# KiCad board Wonderland.kicad_pcb (continued)
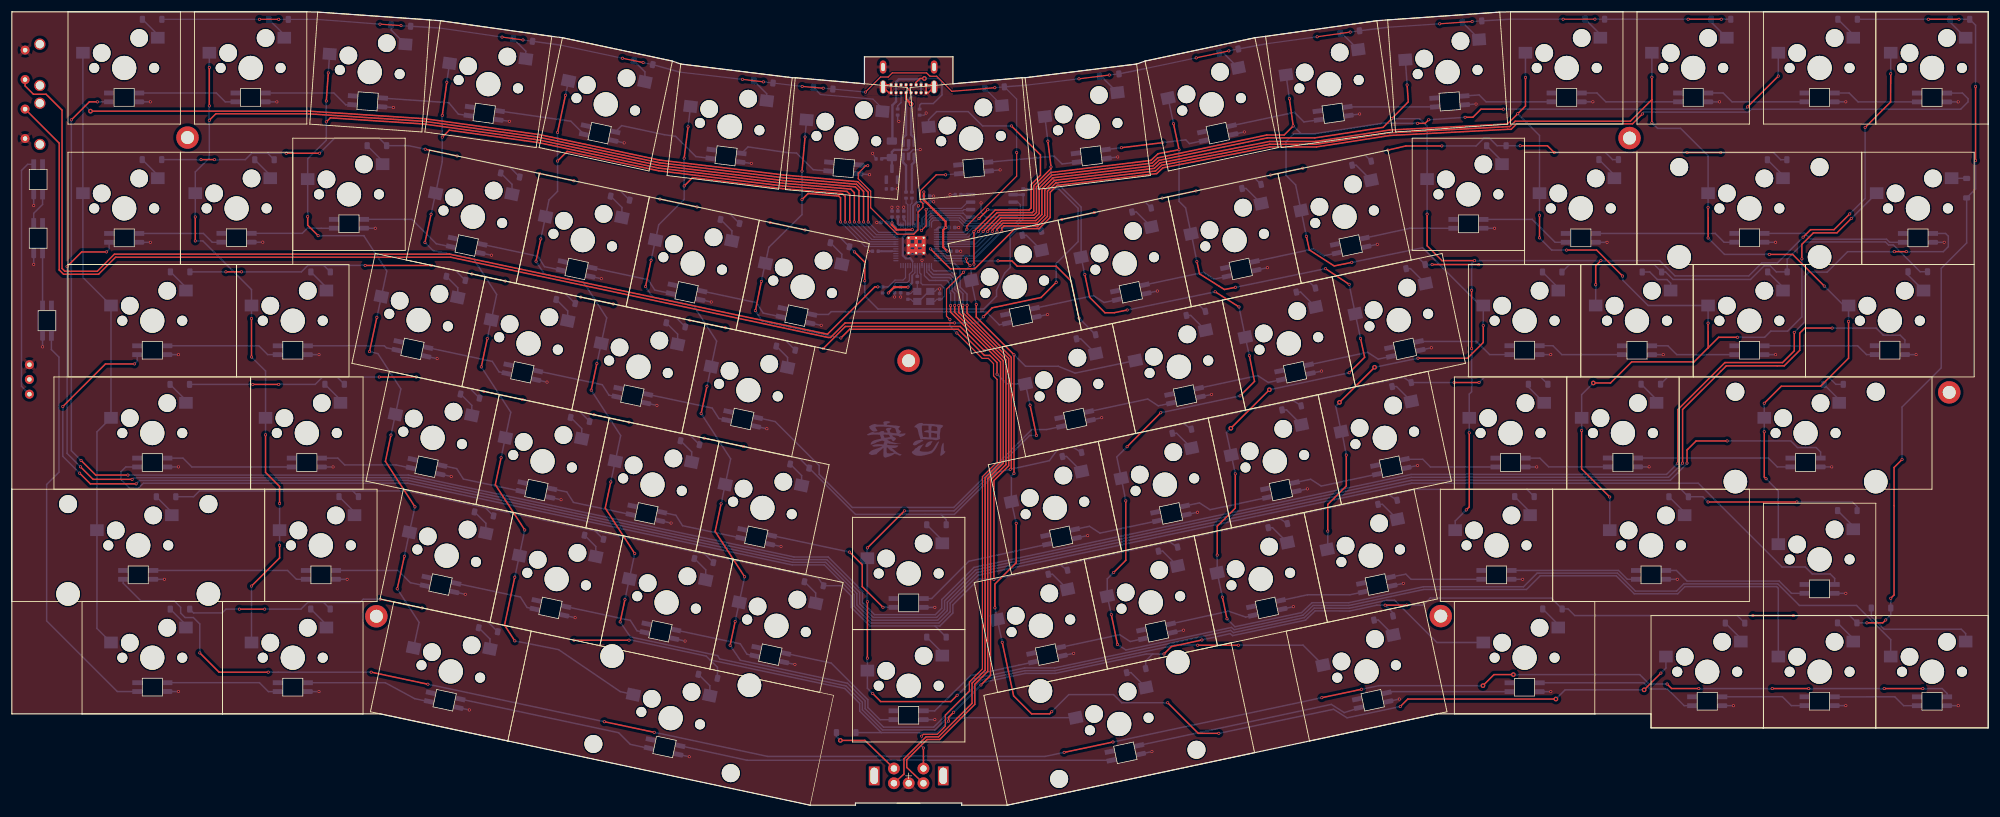
[diagram p0: board, top side]
## Footprints (pads in the part's own frame, mm; a bottom-side part is the same pattern mirrored in y, then rotated)
C_0402_1005Metric
  rrect 0.56x0.62 smd: 1(-0.48,0) 2(0.48,0)
conn_3pins
  round 1.524 hole 0.762: 1(-2.5,0) 2(0,0) 3(2.5,0)
Crystal_SMD_3225-4Pin_3.2x2.5mm
  rect 1.4x1.2 smd: 1(-1.1,-0.85) 2(1.1,-0.85) 3(1.1,0.85) 4(-1.1,0.85)
D_SOD-123
  rrect 0.9x1.2 smd: 1(-1.65,0) 2(1.65,0)
Fuse_1206_3216Metric
  rrect 1.25x1.75 smd: 1(-1.4,0) 2(1.4,0)
GCT_USB4085-GF-A_REVA4
  round 0.65 hole 0.4: A1(-2.975,4.025) A4(-2.125,4.025) A5(-1.275,4.025) A6(-0.425,4.025) A7(0.425,4.025) A8(1.275,4.025) A9(2.125,4.025) A12(2.975,4.025) B1(2.975,2.675) B4(2.125,2.675) B5(1.275,2.675) B6(0.425,2.675) B7(-0.425,2.675) B8(-1.275,2.675) B9(-2.125,2.675) B12(-2.975,2.675)
  oval 1.108x2.216 hole 0.6x2.1: P1(-4.325,3.045) P2(4.325,3.045)
  oval 1.108x2.216 hole 0.6x1.4: P3(4.325,-0.335) P4(-4.325,-0.335)
MountingHole_2.2mm_M2_Pad
  round 3.8 hole 2.2: 1(0,0)
R_0402_1005Metric
  rrect 0.54x0.64 smd: 1(-0.51,0) 2(0.51,0)
RotaryEncoder_EC11-Switch_Horizontal_H15mm
  round 2 hole 1.1: A(1.25,-2.5) B(1.25,2.5) C(1.25,0) S1(-1.25,2.5) S2(-1.25,-2.5)
  rect 3.2x1.8 hole 2.8x1.3: MP(0,5.85) MP(0,-5.85)
RP2040-QFN-56
  rrect 1.084x1.084 smd: (-0.637,-0.637) (-0.637,0.637) (0.637,-0.637) (0.637,0.637)
  rrect 0.875x0.2 smd: 1(-3.438,2.6) 2(-3.438,2.2) 3(-3.438,1.8) 4(-3.438,1.4) 5(-3.438,1) 6(-3.438,0.6) 7(-3.438,0.2) 8(-3.438,-0.2) 9(-3.438,-0.6) 10(-3.438,-1) 11(-3.438,-1.4) 12(-3.438,-1.8) 13(-3.438,-2.2) 14(-3.438,-2.6) 29(3.438,-2.6) 30(3.438,-2.2) 31(3.438,-1.8) 32(3.438,-1.4) 33(3.438,-1) 34(3.438,-0.6) 35(3.438,-0.2) 36(3.438,0.2) 37(3.438,0.6) 38(3.438,1) 39(3.438,1.4) 40(3.438,1.8) 41(3.438,2.2) 42(3.438,2.6)
  rrect 0.2x0.875 smd: 15(-2.6,-3.438) 16(-2.2,-3.438) 17(-1.8,-3.438) 18(-1.4,-3.438) 19(-1,-3.438) 20(-0.6,-3.438) 21(-0.2,-3.438) 22(0.2,-3.438) 23(0.6,-3.438) 24(1,-3.438) 25(1.4,-3.438) 26(1.8,-3.438) 27(2.2,-3.438) 28(2.6,-3.438) 43(2.6,3.438) 44(2.2,3.438) 45(1.8,3.438) 46(1.4,3.438) 47(1,3.438) 48(0.6,3.438) 49(0.2,3.438) 50(-0.2,3.438) 51(-0.6,3.438) 52(-1,3.438) 53(-1.4,3.438) 54(-1.8,3.438) 55(-2.2,3.438) 56(-2.6,3.438)
  round 0.6 hole 0.35: 57(-1.275,-1.275) 57(-1.275,0) 57(-1.275,1.275) 57(0,-1.275) 57(0,0) 57(0,1.275) 57(1.275,-1.275) 57(1.275,0) 57(1.275,1.275)
  rrect 3.2x3.2 smd: 57(0,0)
SK6812-MINI-E_back
  rect 1.7x0.82 smd far side: 1(-2.55,0.75) 2(-2.55,-0.75) 4(2.55,0.75)
  rrect 1.7x0.82 smd far side: 3(2.55,-0.75)
SOIC-8_5.23x5.23mm_P1.27mm
  rrect 1.6x0.6 smd: 1(-3.6,1.905) 2(-3.6,0.635) 3(-3.6,-0.635) 4(-3.6,-1.905) 5(3.6,-1.905) 6(3.6,-0.635) 7(3.6,0.635) 8(3.6,1.905)
SOT-23
  rrect 1.475x0.6 smd: 1(-0.938,0.95) 2(-0.938,-0.95) 3(0.938,0)
SOT-23-6
  rrect 1.325x0.6 smd: 1(-1.137,0.95) 2(-1.137,0) 3(-1.137,-0.95) 4(1.137,-0.95) 5(1.137,0) 6(1.137,0.95)
SW_Cherry_MX_1.00u_Hotswap
  round 1.7 hole 1.7 unplated: (4.445,-9.525) (14.605,-9.525)
  round 3 hole 3 unplated: (5.715,-6.985) (12.065,-4.445)
  round 4.1 hole 4.1 unplated: (9.525,-9.525)
  rect 2.3x2 smd far side: 1(2.525,-6.945) 2(15.225,-4.405)
SW_Cherry_MX_1.25u_Hotswap
  round 1.7 hole 1.7 unplated: (6.826,-9.525) (16.986,-9.525)
  round 3 hole 3 unplated: (8.096,-6.985) (14.446,-4.445)
  round 4.1 hole 4.1 unplated: (11.906,-9.525)
  rect 2.3x2 smd far side: 1(4.906,-6.945) 2(17.606,-4.405)
SW_Cherry_MX_1.50u_Hotswap
  round 1.7 hole 1.7 unplated: (9.207,-9.525) (19.367,-9.525)
  round 3 hole 3 unplated: (10.477,-6.985) (16.828,-4.445)
  round 4.1 hole 4.1 unplated: (14.287,-9.525)
  rect 2.3x2 smd far side: 1(7.287,-6.945) 2(19.988,-4.405)
SW_Cherry_MX_1.75u_Hotswap
  round 1.7 hole 1.7 unplated: (11.589,-9.525) (21.749,-9.525)
  round 3 hole 3 unplated: (12.859,-6.985) (19.209,-4.445)
  round 4.1 hole 4.1 unplated: (16.669,-9.525)
  rect 2.3x2 smd far side: 1(9.669,-6.945) 2(22.369,-4.405)
SW_Cherry_MX_2.00u_Hotswap
  round 3.05 hole 3.05 unplated: (7.15,-2.525) (30.95,-2.525)
  round 4 hole 4 unplated: (7.15,-17.765) (30.95,-17.765)
  round 1.7 hole 1.7 unplated: (13.97,-9.525) (24.13,-9.525)
  round 3 hole 3 unplated: (15.24,-6.985) (21.59,-4.445)
  round 4.1 hole 4.1 unplated: (19.05,-9.525)
  rect 2.3x2 smd far side: 1(12.05,-6.945) 2(24.75,-4.405)
SW_Cherry_MX_2.25u_Hotswap
  round 3.05 hole 3.05 unplated: (9.531,-2.525) (33.331,-2.525)
  round 4 hole 4 unplated: (9.531,-17.765) (33.331,-17.765)
  round 1.7 hole 1.7 unplated: (16.351,-9.525) (26.511,-9.525)
  round 3 hole 3 unplated: (17.621,-6.985) (23.971,-4.445)
  round 4.1 hole 4.1 unplated: (21.431,-9.525)
  rect 2.3x2 smd far side: 1(14.431,-6.945) 2(27.131,-4.405)
SW_Cherry_MX_2.25u_Hotswap_Reversed
  round 4 hole 4 unplated: (9.531,-1.285) (33.331,-1.285)
  round 3.05 hole 3.05 unplated: (9.531,-16.525) (33.331,-16.525)
  round 1.7 hole 1.7 unplated: (16.351,-9.525) (26.511,-9.525)
  round 3 hole 3 unplated: (17.621,-6.985) (23.971,-4.445)
  round 4.1 hole 4.1 unplated: (21.431,-9.525)
  rect 2.3x2 smd far side: 1(14.431,-6.945) 2(27.131,-4.405)
SW_Cherry_MX_2.75u_Hotswap_Reversed
  round 4 hole 4 unplated: (14.294,-1.29) (38.094,-1.29)
  round 3.05 hole 3.05 unplated: (14.294,-16.529) (38.094,-16.529)
  round 1.7 hole 1.7 unplated: (21.114,-9.525) (31.274,-9.525)
  round 3 hole 3 unplated: (22.384,-6.985) (28.734,-4.445)
  round 4.1 hole 4.1 unplated: (26.194,-9.525)
  rect 2.3x2 smd far side: 1(19.194,-6.945) 2(31.894,-4.405)
SW_RST
  round 1.524 hole 0.762: 1(-2.5,0) 2(2.5,0)
  round 1.9 hole 1.4: 3(-3.5,-2.5) 3(3.5,-2.5)

## Nets
+1V1: C6.1 C7.1 C8.1 U3.23 U3.45 U3.50
+3V3: C4.1 C5.1 C9.1 C10.1 C11.1 C12.1 C13.1 C14.1 C15.1 C16.1 C17.1 J3.2 R6.1 RGBA0.1 RGBA1.1 RGBA2.1 RGBA3.1 RGBA4.1 RGBA5.1 RGBA6.1 RGBA7.1 RGBA8.1 RGBA9.1 RGBA10.1 RGBA11.1 RGBA12.1 RGBA13.1 RGBB0.1 RGBB1.1 RGBB2.1 RGBB3.1 RGBB4.1 RGBB5.1 RGBB6.1 RGBB7.1 RGBB8.1 RGBB9.1 RGBB10.1 RGBB11.1 RGBB12.1 RGBB13.1 RGBC0.1 RGBC1.1 RGBC2.1 RGBC3.1 RGBC4.1 RGBC5.1 RGBC6.1 RGBC7.1 RGBC8.1 RGBC9.1 RGBC10.1 RGBC11.1 RGBC12.1 RGBC13.1 RGBD0.1 RGBD1.1 RGBD2.1 RGBD3.1 RGBD4.1 RGBD5.1 RGBD6.1 RGBD7.1 RGBD8.1 RGBD9.1 RGBD10.1 RGBD11.1 RGBD12.1 RGBD13.1 RGBE0.1 RGBE1.1 RGBE2.1 RGBE3.1 RGBE4.1 RGBE5.1 RGBE6.1 RGBE7.1 RGBE8.1 RGBE9.1 RGBE10.1 RGBE11.1 RGBE12.1 RGBE13.1 RGBF0.1 RGBF1.1 RGBF2.1 RGBF3.1 RGBF4.1 RGBF5.1 RGBF6.1 RGBF7.1 RGBF8.1 RGBF9.1 RGBF10.1 RGBF11.1 RGBF12.1 RGBI0.1 RGBI1.1 RGBI2.1 U1.2 U2.8 U3.1 U3.10 U3.22 U3.33 U3.42 U3.43 U3.44 U3.48 U3.49
+5V: C1.2 F1.2 U1.3 U4.5
GND: C1.1 C2.1 C3.1 C4.2 C5.2 C6.2 C7.2 C8.2 C9.2 C10.2 C11.2 C12.2 C13.2 C14.2 C15.2 C16.2 C17.2 J3.3 JUSB1.A1 JUSB1.A12 JUSB1.B1 JUSB1.B12 JUSB1.P1 JUSB1.P2 JUSB1.P3 JUSB1.P4 R1.1 R2.1 RGBA0.3 RGBA1.3 RGBA2.3 RGBA3.3 RGBA4.3 RGBA5.3 RGBA6.3 RGBA7.3 RGBA8.3 RGBA9.3 RGBA10.3 RGBA11.3 RGBA12.3 RGBA13.3 RGBB0.3 RGBB1.3 RGBB2.3 RGBB3.3 RGBB4.3 RGBB5.3 RGBB6.3 RGBB7.3 RGBB8.3 RGBB9.3 RGBB10.3 RGBB11.3 RGBB12.3 RGBB13.3 RGBC0.3 RGBC1.3 RGBC2.3 RGBC3.3 RGBC4.3 RGBC5.3 RGBC6.3 RGBC7.3 RGBC8.3 RGBC9.3 RGBC10.3 RGBC11.3 RGBC12.3 RGBC13.3 RGBD0.3 RGBD1.3 RGBD2.3 RGBD3.3 RGBD4.3 RGBD5.3 RGBD6.3 RGBD7.3 RGBD8.3 RGBD9.3 RGBD10.3 RGBD11.3 RGBD12.3 RGBD13.3 RGBE0.3 RGBE1.3 RGBE2.3 RGBE3.3 RGBE4.3 RGBE5.3 RGBE6.3 RGBE7.3 RGBE8.3 RGBE9.3 RGBE10.3 RGBE11.3 RGBE12.3 RGBE13.3 RGBF0.3 RGBF1.3 RGBF2.3 RGBF3.3 RGBF4.3 RGBF5.3 RGBF6.3 RGBF7.3 RGBF8.3 RGBF9.3 RGBF10.3 RGBF11.3 RGBF12.3 RGBI0.3 RGBI1.3 RGBI2.3 RSW1.1 RSW2.2 SW1.C U1.1 U2.4 U3.19 U3.57 U4.2 Y1.2 Y1.4
VBUS: F1.1 JUSB1.A4 JUSB1.A9 JUSB1.B4 JUSB1.B9
/CC1: JUSB1.A5 R1.2
/CC2: JUSB1.B5 R2.2
/D_+: R3.2 U3.47
/D_-: R4.2 U3.46
/IN_A0: RGBA0.4 RGBA1.2
/IN_A1: RGBA1.4 RGBA2.2
/IN_A2: RGBA2.4 RGBA3.2
/IN_A3: RGBA3.4 RGBA4.2
/IN_A4: RGBA4.4 RGBA5.2
/IN_A5: RGBA5.4 RGBA6.2
/IN_A6: RGBA6.4 RGBA7.2
/IN_A7: RGBA7.4 RGBA8.2
/IN_A8: RGBA8.4 RGBA9.2
/IN_A9: RGBA9.4 RGBA10.2
/IN_A10: RGBA10.4 RGBA11.2
/IN_A11: RGBA11.4 RGBA12.2
/IN_A12: RGBA12.4 RGBA13.2
/IN_A13: RGBA13.4 RGBF10.2
/IN_B0: RGBB0.4 RGBB1.2
/IN_B1: RGBB1.4 RGBB2.2
/IN_B2: RGBB2.4 RGBB3.2
/IN_B3: RGBB3.4 RGBB4.2
/IN_B4: RGBB4.4 RGBB5.2
/IN_B5: RGBB5.4 RGBB6.2
/IN_B6: RGBB6.4 RGBB7.2
/IN_B7: RGBB7.4 RGBB8.2
/IN_B8: RGBB8.4 RGBB9.2
/IN_B9: RGBB9.4 RGBB10.2
/IN_B10: RGBB10.4 RGBB11.2
/IN_B11: RGBB11.4 RGBB12.2
/IN_B12: RGBB12.4 RGBB13.2
/IN_B13: RGBB13.4 RGBF12.2
/IN_C0: RGBC0.4 RGBC1.2
/IN_C1: RGBC1.4 RGBC2.2
/IN_C2: RGBC2.4 RGBC3.2
/IN_C3: RGBC3.4 RGBC4.2
/IN_C4: RGBC4.4 RGBC5.2
/IN_C5: RGBC5.4 RGBC6.2
/IN_C6: RGBC6.4 RGBC7.2
/IN_C7: RGBC7.4 RGBC8.2
/IN_C8: RGBC8.4 RGBC9.2
/IN_C9: RGBC9.4 RGBC10.2
/IN_C10: RGBC10.4 RGBC11.2
/IN_C11: RGBC11.4 RGBC12.2
/IN_C12: RGBC12.4 RGBC13.2
/IN_C13: RGBB0.2 RGBC13.4
/IN_D0: RGBD0.4 RGBD1.2
/IN_D1: RGBD1.4 RGBD2.2
/IN_D2: RGBD2.4 RGBD3.2
/IN_D3: RGBD3.4 RGBD4.2
/IN_D4: RGBD4.4 RGBD5.2
/IN_D5: RGBD5.4 RGBD6.2
/IN_D6: RGBD6.4 RGBD7.2
/IN_D7: RGBD7.4 RGBD8.2
/IN_D8: RGBD8.4 RGBD9.2
/IN_D9: RGBD9.4 RGBD10.2
/IN_D10: RGBD10.4 RGBD11.2
/IN_D11: RGBD11.4 RGBD12.2
/IN_D12: RGBD12.4 RGBD13.2
/IN_D13: RGBC0.2 RGBD13.4
/IN_E0: RGBE0.4 RGBE1.2
/IN_E1: RGBE1.4 RGBE2.2
/IN_E2: RGBE2.4 RGBE3.2
/IN_E3: RGBE3.4 RGBE4.2
/IN_E4: RGBE4.4 RGBE5.2
/IN_E5: RGBE5.4 RGBE6.2
/IN_E6: RGBE6.4 RGBE7.2
/IN_E7: RGBE7.4 RGBE8.2
/IN_E8: RGBE8.4 RGBE9.2
/IN_E9: RGBE9.4 RGBE10.2
/IN_E10: RGBE10.4 RGBE11.2
/IN_E11: RGBE11.4 RGBE12.2
/IN_E12: RGBE12.4 RGBE13.2
/IN_E13: RGBD0.2 RGBE13.4
/IN_F0: RGBF0.4 RGBF1.2
/IN_F1: RGBF1.4 RGBF2.2
/IN_F2: RGBF2.4 RGBF3.2
/IN_F3: RGBF3.4 RGBF4.2
/IN_F4: RGBF4.4 RGBF5.2
/IN_F5: RGBF5.4 RGBF6.2
/IN_F6: RGBF6.4 RGBF7.2
/IN_F7: RGBF7.4 RGBF8.2
/IN_F8: RGBF8.4 RGBF9.2
/IN_F9: RGBE0.2 RGBF9.4
/IN_F10: RGBF10.4 RGBF11.2
/IN_F12: RGBA0.2 RGBF12.4
/IN_I0: RGBF0.2 RGBI0.4
/IN_I1: RGBI0.2 RGBI1.4
/IN_I2: RGBI1.2 RGBI2.4
/KC13_out: DC13.2 KC13.2
/KD12_out: DD12.2 KD12.2
/KE0_out: DE0.2 KE0.2
/SW99B: DF13.2 SW1.S2
/~{USB_BOOT}: R0.1 RSW1.2
col00: KA0.1 KB0.1 KC0.1 KD0.1 KE0.1 KF0.1 U3.41
col01: KA1.1 KB1.1 KC1.1 KD1.1 KE1.1 KF1.1 U3.40
col02: KA2.1 KB2.1 KC2.1 KD2.1 KE2.1 KF2.1 U3.39
col03: KA3.1 KB3.1 KC3.1 KD3.1 KE3.1 KF3.1 U3.38
col04: KA4.1 KB4.1 KC4.1 KD4.1 KE4.1 KF4.1 U3.37
col05: KA5.1 KB5.1 KC5.1 KD5.1 KE5.1 KF5.1 U3.36
col06: KA6.1 KB6.1 KC6.1 KD6.1 KE6.1 KF6.1 U3.35
col07: KA7.1 KB7.1 KC7.1 KD7.1 KE7.1 KF7.1 U3.4
col08: KA8.1 KB8.1 KC8.1 KD8.1 KE8.1 KF8.1 U3.5
col09: KA9.1 KB9.1 KC9.1 KD9.1 KE9.1 KF9.1 U3.6
col10: KA10.1 KB10.1 KC10.1 KD10.1 KE10.1 KF10.1 U3.7
col11: KA11.1 KB11.1 KC11.1 KD11.1 KE11.1 KF11.1 U3.8
col12: KA12.1 KB12.1 KC12.1 KD12.1 KE12.1 KF12.1 U3.11
col13: KA13.1 KB13.1 KC13.1 KD13.1 KE13.1 SW1.S1 U3.12
CS: R0.2 U2.1 U3.56
D_N: R4.1 U4.3
D_P: R3.1 U4.1
D_USB_N: JUSB1.A7 JUSB1.B7 U4.4
D_USB_P: JUSB1.A6 JUSB1.B6 U4.6
ENCA: SW1.A U3.18
ENCB: SW1.B U3.17
QSPI_CLK: U2.6 U3.52
RGB_Matrix: RGBF11.4 U3.9
RGB_Out: J3.1 RGBI2.2
row00: DA0.1 DA1.1 DA2.1 DA3.1 DA4.1 DA5.1 DA6.1 DA7.1 DA8.1 DA9.1 DA10.1 DA11.1 DA12.1 DA13.1 U3.2
row01: DB0.1 DB1.1 DB2.1 DB3.1 DB4.1 DB5.1 DB6.1 DB7.1 DB8.1 DB9.1 DB10.1 DB11.1 DB12.1 DB13.1 U3.3
row02: DC0.1 DC1.1 DC2.1 DC3.1 DC4.1 DC5.1 DC6.1 DC7.1 DC8.1 DC9.1 DC10.1 DC11.1 DC12.1 DC13.1 U3.13
row03: DD0.1 DD1.1 DD2.1 DD3.1 DD4.1 DD5.1 DD6.1 DD7.1 DD8.1 DD9.1 DD10.1 DD11.1 DD12.1 DD13.1 U3.14
row04: DE0.1 DE1.1 DE2.1 DE3.1 DE4.1 DE5.1 DE6.1 DE7.1 DE8.1 DE9.1 DE10.1 DE11.1 DE12.1 DE13.1 U3.15
row05: DF0.1 DF1.1 DF2.1 DF3.1 DF4.1 DF5.1 DF6.1 DF7.1 DF8.1 DF9.1 DF10.1 DF11.1 DF12.1 DF13.1 U3.16
SD0: U2.5 U3.53
SD1: U2.2 U3.55
SD2: U2.3 U3.54
SD3: U2.7 U3.51
XTAL_IN: C2.2 U3.20 Y1.3
XTAL_OUT: R5.2 U3.21
~{RESET}: R6.2 RSW2.1 U3.26
Net-(C3-Pad2): C3.2 R5.1 Y1.1
Net-(DA0-A): DA0.2 KA0.2
Net-(DA1-A): DA1.2 KA1.2
Net-(DA2-A): DA2.2 KA2.2
Net-(DA3-A): DA3.2 KA3.2
Net-(DA4-A): DA4.2 KA4.2
Net-(DA5-A): DA5.2 KA5.2
Net-(DA6-A): DA6.2 KA6.2
Net-(DA7-A): DA7.2 KA7.2
Net-(DA8-A): DA8.2 KA8.2
Net-(DA9-A): DA9.2 KA9.2
Net-(DA10-A): DA10.2 KA10.2
Net-(DA11-A): DA11.2 KA11.2
Net-(DA12-A): DA12.2 KA12.2
Net-(DA13-A): DA13.2 KA13.2
Net-(DB0-A): DB0.2 KB0.2
Net-(DB1-A): DB1.2 KB1.2
Net-(DB2-A): DB2.2 KB2.2
Net-(DB3-A): DB3.2 KB3.2
Net-(DB4-A): DB4.2 KB4.2
Net-(DB5-A): DB5.2 KB5.2
Net-(DB6-A): DB6.2 KB6.2
Net-(DB7-A): DB7.2 KB7.2
Net-(DB8-A): DB8.2 KB8.2
Net-(DB9-A): DB9.2 KB9.2
Net-(DB10-A): DB10.2 KB10.2
Net-(DB11-A): DB11.2 KB11.2
Net-(DB12-A): DB12.2 KB12.2
Net-(DB13-A): DB13.2 KB13.2
Net-(DC0-A): DC0.2 KC0.2
Net-(DC1-A): DC1.2 KC1.2
Net-(DC2-A): DC2.2 KC2.2
Net-(DC3-A): DC3.2 KC3.2
Net-(DC4-A): DC4.2 KC4.2
Net-(DC5-A): DC5.2 KC5.2
Net-(DC6-A): DC6.2 KC6.2
Net-(DC7-A): DC7.2 KC7.2
Net-(DC8-A): DC8.2 KC8.2
Net-(DC9-A): DC9.2 KC9.2
Net-(DC10-A): DC10.2 KC10.2
Net-(DC11-A): DC11.2 KC11.2
Net-(DC12-A): DC12.2 KC12.2
Net-(DD0-A): DD0.2 KD0.2
Net-(DD1-A): DD1.2 KD1.2
Net-(DD2-A): DD2.2 KD2.2
Net-(DD3-A): DD3.2 KD3.2
Net-(DD4-A): DD4.2 KD4.2
Net-(DD5-A): DD5.2 KD5.2
Net-(DD6-A): DD6.2 KD6.2
Net-(DD7-A): DD7.2 KD7.2
Net-(DD8-A): DD8.2 KD8.2
Net-(DD9-A): DD9.2 KD9.2
Net-(DD10-A): DD10.2 KD10.2
Net-(DD11-A): DD11.2 KD11.2
Net-(DD13-A): DD13.2 KD13.2
Net-(DE1-A): DE1.2 KE1.2
Net-(DE2-A): DE2.2 KE2.2
Net-(DE3-A): DE3.2 KE3.2
Net-(DE4-A): DE4.2 KE4.2
Net-(DE5-A): DE5.2 KE5.2
Net-(DE6-A): DE6.2 KE6.2
Net-(DE7-A): DE7.2 KE7.2
Net-(DE8-A): DE8.2 KE8.2
Net-(DE9-A): DE9.2 KE9.2
Net-(DE10-A): DE10.2 KE10.2
Net-(DE11-A): DE11.2 KE11.2
Net-(DE12-A): DE12.2 KE12.2
Net-(DE13-A): DE13.2 KE13.2
Net-(DF0-A): DF0.2 KF0.2
Net-(DF1-A): DF1.2 KF1.2
Net-(DF2-A): DF2.2 KF2.2
Net-(DF3-A): DF3.2 KF3.2
Net-(DF4-A): DF4.2 KF4.2
Net-(DF5-A): DF5.2 KF5.2
Net-(DF6-A): DF6.2 KF6.2
Net-(DF7-A): DF7.2 KF7.2
Net-(DF8-A): DF8.2 KF8.2
Net-(DF9-A): DF9.2 KF9.2
Net-(DF10-A): DF10.2 KF10.2
Net-(DF11-A): DF11.2 KF11.2
Net-(DF12-A): DF12.2 KF12.2

Pads without a net: JUSB1 A8 B8; MountTopMiddle1 1; MountTopMiddle2 1; MountTopMiddle3 1; MountTopMiddle4 1; MountTopMiddle5 1; MountTopMiddle6 1; RSW1 3; RSW2 3; SW1 MP; U3 24 25 27 28 29 30 31 32 34

## Via types
v1: diameter 0.5, hole 0.3, Top to Bottom, 462 vias
v2: diameter 0.8, hole 0.4, Top to Bottom, 13 vias

## Routing (per net, layer and track width the routed paths; a pad name or vN(x,y) marks a point on that pad's centre or on a via; arc(x,y) is an arc through that point)
+1V1: length 20.4
  Bottom w0.2: 152.68,92.22 U3.23 152.68,90.57 152.13,90.03 152.13,88.98 151.8,88.65 149.87,88.65 149.62,88.4 C7.1 ; 152.78,96.95 153.48,97.64 U3.50 153.48,98.92 153.48,98.93 ; 151.36,99.15 151.48,99.03 U3.45 151.48,96.83 ; 153.63,99.87 153.48,99.72
  Bottom w0.25: 153.48,99.72 153.48,98.93
  Bottom w0.35: 152.68,92.22 152.31,92.74 151.52,92.74 151.02,93.24 151.02,96.37 151.6,96.95 152.78,96.95 ; C8.1 151.19,99.33 151.36,99.15
+3V3: length 48.6
  Top w0.35: 158.55,93.96 v1(158.54,93.96) 157.87,94.64 157.87,97.56 v1(158.28,97.97) 158.28,98.97 154.59,102.66 154.59,102.66 v1(154.59,103.99) ; v1(149.19,98.74) 149.19,98.38 149.97,97.6 v1(152.63,97.6) ; v1(148.56,86.86) 149.56,87.86 v1(151.89,87.86)
  Bottom w0.2: v1(152.63,97.6) 152.68,97.65 U3.48 152.68,98.78 U3.49 ; 149.21,93.95 149.21,93.95 U3.33 ; U3.10 159.2,93.95 C13.1 ; U3.22 153.08,90.3 152.61,89.83
  Bottom w0.35: 146.85,93.95 149.21,93.95 ; 156.71,97.63 157.13,97.97 v1(158.28,97.97) C11.1 ; C16.1 v1(149.19,98.74) 149.19,98.62 ; C14.1 v1(151.89,87.86) 152.61,88.58 152.61,89.83 ; 154.59,103.32 v1(154.59,103.99) ; 150.2,99.77 150.2,98.58 150.4,98.37 150.98,98.36 ; C15.1 148.65,98.81 149.02,98.44 149.38,98.44 149.84,97.97 149.84,97.66 ; 154.61,103.3 C9.1 153.47,102.33 152.76,101.62 152.76,98.71
  Bottom w0.4: 162.5,103.54 160.87,103.54
+5V: length 8.7
  Bottom w0.4: 149.17,109.73 149.17,110.77 149.53,111.13 151.76,111.13 152.01,111.38 U4.5 ; 149.17,109.73 147.58,109.73 C1.2 ; 149.17,109.73 149.17,107.87 149.18,107.86
GND: length 218.5
  Top w0.25: 148.66,120.83 JUSB1.P1 148.04,122.18 JUSB1.B12 JUSB1.A1 148.66,120.83 ; 155.96,122.18 JUSB1.P2 155.34,120.83 JUSB1.A12 JUSB1.B1 155.96,122.18
  Top w0.635: U3.57 U3.57 ; U3.57 U3.57 ; U3.57 U3.57 U3.57 154.26,93.97 152.31,93.97 U3.57 U3.57
  Bottom w0.2: R2.1 154.62,117.02 v1(154.98,117.38) ; C5.2 159.03,103.54 ; v1(154.28,92.42) 154.28,92.42 U3.19 ; Y1.4 152.74,85.43 152.37,85.8 C3.1 ; U2.4 165.09,99.73 164.29,100.54 v1(164.29,102.14) ; 149.62,86.9 v1(149.62,86.18) ; v1(157.27,87.55) 157.27,87.54 156.85,87.54 156.44,87.13 155.68,87.13 ; 146.45,109.59 v1(145.9,110.55) ; 153.63,101.6 v1(153.67,101.64) ; v1(150.12,104.52) 150.11,104.51 C17.2 ; 150.66,86.9 v1(150.66,86.18)
  Bottom w0.25: 88.87,72.14 v1(90.72,71.75) ; 192.33,86.81 v1(194.18,87.2) ; 26.36,57.37 v1(28.25,57.37) ; 217.75,53.25 v1(219.6,53.64) ; RGBB1.3 v1(42.54,95.48) ; RGBB13.3 v1(298.96,95.47) ; 143.5,107.09 v1(145.38,106.93) ; RGBE1.3 v1(56.84,38.31) ; 59.72,97.84 v1(61.61,97.84) ; 287.57,119.27 v1(289.46,119.27) ; 79.45,93.66 v1(81.3,93.27) ; RGBC1.3 v1(52.07,76.41) ; 101.95,112.71 v1(103.8,112.32) ; RGBC11.3 v1(279.91,76.41) ; R1.1 150.15,116.17 v1(150.35,115.97) ; 112.97,8.61 v1(114.82,8.22) ; RGBC12.3 v1(298.96,76.41) ; RGBF10.3 v1(310.86,119.28) ; 75.7,16.54 v1(77.55,16.15) ; RGBC0.3 v1(28.25,76.41) ; 173.69,82.82 v1(175.54,83.21) ; 75.01,36.16 v1(76.86,35.77) ; 109.9,48.24 v1(111.75,47.85) ; 180.5,45.33 v1(182.35,45.72) ; 72.63,56.14 v1(74.48,55.75) ; v1(153.97,111.18) 152.78,111.18 152.01,110.41 U4.2 ; 165.64,107.58 v1(167.52,107.74) ; RGBF8.3 v1(310.86,16.89) ; 126.14,64.23 v1(127.99,63.84) ; 116.71,85.73 v1(118.56,85.34) ; 135.34,81.77 v1(137.19,81.38) ; 191.4,8.7 v1(193.25,9.09) ; RGBB11.3 v1(251.33,97.84) ; 185.58,109.7 v1(187.46,109.93) ; 178.13,25.36 v1(179.98,25.75) ; RGBC10.3 v1(260.85,76.42) ; RGBF6.3 v1(260.86,19.26) ; 246.29,118.78 v1(248.18,118.91) ; 220.15,73.23 v1(222,73.62) ; 201.51,69.27 v1(203.36,69.66) ; RGBD11.3 v1(258.47,57.36) ; RGBB12.3 v1(270.39,95.46) ; 196.74,29.29 v1(198.59,29.68) ; RGBE11.3 v1(256.09,38.31) ; RGBA0.3 v1(23.48,119.28) ; RGBF12.3 v1(327.53,95.46) ; 229.6,94.73 v1(231.45,95.12) ; RGBD12.3 v1(277.52,57.38) ; 70.24,76.12 v1(72.09,75.73) ; 130.89,24.26 v1(132.74,23.87) ; RGBC13.3 v1(322.77,76.42) ; RGBF11.3 v1(329.91,119.27) ; RGBE13.3 v1(310.86,35.93) ; 153.73,85.43 155.43,87.13 ; 215.37,33.27 v1(217.22,33.66) ; 182.89,65.32 v1(184.74,65.71) ; RGBF9.3 v1(329.91,16.88) ; RGBF1.3 v1(52.07,19.27) ; RGBI1.3 v1(3.71,91.71) ; RGBA12.3 v1(267.99,119.28) ; C2.1 157.27,87.54 ; 238.76,77.18 v1(240.61,77.57) ; 98.08,89.68 v1(99.93,89.29) ; 21.59,95.45 v1(23.48,95.45) ; 210.97,90.76 v1(212.82,91.15) ; 93.63,32.19 v1(95.48,31.8) ; 199.12,49.29 v1(200.97,49.68) ; RGBE12.3 v1(282.29,38.31) ; RGBD6.3 v1(156.46,33.55) ; 112.27,28.23 v1(114.12,27.84) ; 226.59,116.96 v1(228.46,117.22) ; 154.57,14.51 v1(156.46,14.51) ; 82.47,116.24 v1(84.34,115.98) ; 234.01,37.23 v1(235.86,37.62) ; 128.53,44.26 v1(130.38,43.87) ; RGBE0.3 v1(25.87,38.31) ; 236.41,57.22 v1(238.26,57.61) ; RGBD1.3 v1(54.45,57.36) ; RGBF0.3 v1(28.26,19.28) ; RGBD13.3 v1(308.48,57.37) ; 207.07,113.78 v1(208.92,114.17) ; 233.33,17.61 v1(235.18,18) ; RGBF7.3 v1(291.81,16.88) ; 62.78,118.45 v1(64.67,118.32) ; RGBI2.3 v1(3.71,101.69) ; 91.25,52.19 v1(93.1,51.8) ; 107.5,68.19 v1(109.35,67.8) ; 123.48,109.07 v1(125.36,108.84) ; RGBI0.3 v1(5.21,77.72) ; 43.04,119.27 v1(44.93,119.27)
  Bottom w0.35: C15.2 v1(146.61,98.81) ; 149.18,100.74 v1(149.18,101.41) ; 145.88,93.96 v1(145.2,93.96) ; C10.2 v1(150.19,101.42) ; C6.2 153.63,101.6 ; 159.82,97.97 v1(160.5,97.97) ; 151.18,100.75 v1(151.18,101.42) ; C9.2 v1(156.25,102.33) ; 155.56,103.31 v1(156.23,103.31) ; 160.17,93.95 v1(160.84,93.95)
  vias: v1(159.03,103.54)
VBUS: length 16.8
  Bottom w0.4: 149.17,112.53 149.26,112.62 149.26,118.71 149.88,119.33 JUSB1.A4 JUSB1.B9 149.88,122.63 150.34,123.1 153.65,123.1 154.13,122.63 JUSB1.B4 JUSB1.A9
/CC1: length 3
  Bottom w0.2: JUSB1.A5 150.72,119.16
  Bottom w0.25: 150.72,119.16 150.15,118.58 R1.2
/CC2: length 12.6
  Top w0.25: v2(154.68,123.24) 154.68,123.24 153.93,123.24 153.28,122.59 JUSB1.B5
  Bottom w0.25: R2.2 153.88,118.71 154.16,118.99 156.19,118.99 157.66,120.46 157.66,122.57 156.99,123.24 v2(154.68,123.24)
/D_+: length 4.7
  Bottom w0.2: U3.47 152.28,101.81 152.57,102.1 R3.2
/D_-: length 4.7
  Bottom w0.2: U3.46 151.88,101.82 151.57,102.13 R4.2
/IN_A0: length 17
  Bottom w0.25: 37.93,119.28 36.18,119.28 34.67,120.78 RGBA0.4
/IN_A1: length 15.5
  Bottom w0.25: 57.73,118.78 56.59,118.78 54.59,120.78 43.03,120.78
/IN_A2: length 15.6
  Bottom w0.25: 62.88,119.91 74.08,119.13 75.69,117.19 77.48,116.94
/IN_A3: length 15.3
  Bottom w0.25: RGBA3.4 94.77,115.99 RGBA4.2
/IN_A4: length 18.3
  Bottom w0.25: 102.28,114.17 103.36,115.25 110.58,113.71 112.51,113.43 115.95,110 118.49,109.68
/IN_A5: length 16.4
  Bottom w0.25: 123.69,110.55 124.78,111.64 131.32,110.69 133.02,110.59 135.83,107.77 138.39,107.55
/IN_A6: length 35.3
  Top w0.2: v1(158.27,106.91) 156.69,106.91 154.02,104.23 154.02,102.43 154.43,102.02 154.43,101.4 153.6,100.57 153.6,97.55 152.89,96.84 150.06,96.84 145.57,101.32 145.57,104.14 143.47,106.24 143.47,107.17 144.75,108.45 v1(145.08,108.45)
  Bottom w0.2: RGBA7.2 158.28,106.9 ; v1(145.08,108.45) RGBA6.4
/IN_A7: length 15.7
  Bottom w0.25: 180.55,109.06 178.01,108.74 176.66,110.07 RGBA7.4
/IN_A8: length 17.1
  Top w0.25: v1(188.07,111.5) v1(194.99,112.35)
  Bottom w0.25: v1(194.99,112.35) 198.98,112.84 199.6,112.19 202.1,112.73 ; RGBA8.4 v1(188.07,111.5)
/IN_A9: length 15.7
  Bottom w0.25: 206.74,115.23 217.4,117.49 219.01,115.87 221.55,116.23
/IN_A10: length 14.8
  Bottom w0.25: RGBA11.2 241.22,118.43 RGBA10.4
/IN_A11: length 15.3
  Bottom w0.25: 261,119.28 249.88,119.28 248.71,120.45 RGBA11.4
/IN_A12: length 17
  Bottom w0.25: 282.44,119.28 270.18,119.28 268.68,120.78 RGBA12.4
/IN_A13: length 17
  Bottom w0.25: RGBF10.2 291.57,119.28 290.06,120.78 287.53,120.78
/IN_B0: length 14.6
  Bottom w0.25: 35.55,95.46 33.98,95.46 32.48,96.96 RGBB0.4
/IN_B1: length 14.3
  Bottom w0.25: 54.6,97.84 50.1,97.84 49.24,96.98 RGBB1.4
/IN_B2: length 16.5
  Bottom w0.25: RGBB2.4 67.81,99.35 71.95,95.22 74.45,94.68
/IN_B3: length 14.6
  Bottom w0.25: RGBB4.2 90.28,91.33 89.15,93.1 79.74,95.1
/IN_B4: length 14.6
  Bottom w0.25: 98.37,91.14 107.85,89.13 108.98,87.35 RGBB5.2
/IN_B5: length 14.6
  Bottom w0.25: RGBB6.2 127.35,83.45 126.22,85.22 117,87.18
/IN_B6: length 34.2
  Bottom w0.25: 168.69,81.74 167.38,81.46 165.14,83.7 138.89,83.7 138.41,83.22 RGBB6.4 135.66,83.21
/IN_B7: length 14.6
  Bottom w0.25: 173.38,84.28 183.34,86.41 185.13,85.25 RGBB8.2
/IN_B8: length 14.6
  Bottom w0.25: 192.02,88.23 201.98,90.37 203.77,89.21 RGBB9.2
/IN_B9: length 14.6
  Bottom w0.25: 210.65,92.2 220.61,94.33 222.4,93.17 RGBB10.2
/IN_B10: length 15.2
  Bottom w0.25: 229.28,96.17 236.94,97.84 236.94,97.84 RGBB11.2
/IN_B11: length 15.6
  Bottom w0.25: 263.39,95.46 261.59,95.46 257.71,99.34 RGBB11.4
/IN_B12: length 24.1
  Bottom w0.25: 291.96,95.46 290.23,95.46 288.73,96.96 288.73,96.96 RGBB12.4
/IN_B13: length 24.1
  Bottom w0.25: RGBB13.4 303.91,96.97 304.9,95.98 317.76,95.98 318.29,95.46 RGBF12.2
/IN_C0: length 19.3
  Bottom w0.25: 45.08,76.41 43.37,76.41 41.87,77.91 RGBC0.4
/IN_C1: length 15.2
  Bottom w0.25: 65.22,77.21 63.48,77.58 63.15,77.91 RGBC1.4
/IN_C2: length 14.6
  Bottom w0.25: 70.54,77.58 81.44,75.26 82.57,73.49 RGBC3.2
/IN_C3: length 14.6
  Bottom w0.25: RGBC4.2 101.21,69.54 100.08,71.31 89.18,73.62
/IN_C4: length 14.6
  Bottom w0.25: 107.81,69.66 118.71,67.35 119.84,65.58 RGBC5.2
/IN_C5: length 64
  Bottom w0.25: RGBC5.4 129.39,65.06 136.84,57.6 136.84,56.11 142.46,50.49 159.66,50.49 172.88,63.71 175.41,63.71 177.92,64.24
/IN_C6: length 14.6
  Bottom w0.25: 182.57,66.75 192.53,68.89 194.32,67.73 RGBC7.2
/IN_C7: length 14.6
  Bottom w0.25: 201.21,70.72 211.17,72.85 212.96,71.69 RGBC8.2
/IN_C8: length 14.6
  Bottom w0.25: 219.84,74.67 229.8,76.81 231.59,75.65 RGBC9.2
/IN_C9: length 16.3
  Bottom w0.25: RGBC9.4 248.26,78.64 250.49,76.42 RGBC10.2
/IN_C10: length 14.6
  Bottom w0.25: RGBC11.2 262.73,76.41 261.22,77.92 RGBC10.4
/IN_C11: length 14.6
  Bottom w0.25: RGBC11.4 280.7,77.91 282.2,76.41 RGBC12.2
/IN_C12: length 19.3
  Bottom w0.25: 315.77,76.41 314.36,76.41 312.86,77.91 RGBC12.4
/IN_C13: length 386.5
  Top w0.25: v1(16.04,93.82) 11.84,93.82 v1(9.37,91.35) ; v1(11.64,57.39) 13.77,55.26 v1(20.4,55.26) ; v1(283.19,58) 283.19,67.1 290.59,74.5 300.41,74.5 303.04,77.13 303.04,80.05 303.9,80.91 v1(308.54,80.91)
  Bottom w0.25: RGBB0.2 16.5,94.28 v1(16.04,93.82) ; 280.82,55.61 237.2,55.61 163.34,39.89 158.09,34.64 158.09,33.18 156.75,31.84 146.02,31.84 143.71,34.15 143.71,36.07 138.14,41.64 132.47,41.64 67.2,55.53 20.67,55.53 v1(20.4,55.26) ; v1(283.19,58) 283.19,58 280.82,55.62 ; v1(308.54,80.91) 316,80.91 317.21,79.7 320.07,79.7 320.88,78.9 RGBC13.4 ; v1(11.64,57.39) 9.37,59.66 v1(9.37,91.35)
/IN_D0: length 21.7
  Bottom w0.25: RGBD1.2 30.51,57.36 29.01,58.86 RGBD0.4
/IN_D1: length 15.6
  Bottom w0.25: 67.63,57.17 65.13,57.71 56.42,57.71 55.26,58.86 RGBD1.4
/IN_D2: length 14.6
  Bottom w0.25: 72.92,57.61 75.41,57.08 76.54,55.31 RGBD3.2
/IN_D3: length 14.6
  Bottom w0.25: 91.56,53.65 94.07,53.12 95.2,51.35 RGBD4.2
/IN_D4: length 14.6
  Bottom w0.25: RGBD5.2 113.69,47.4 112.56,49.17 110.19,49.68
/IN_D5: length 27
  Top w0.25: v1(147.66,33.56) 144.14,37.08 144.14,40.77 v1(141.99,42.93)
  Bottom w0.25: RGBD5.4 v1(141.99,42.93) ; v1(147.66,33.56) 147.67,33.55 RGBD6.2
/IN_D6: length 23.9
  Bottom w0.25: 175.51,44.25 162.21,41.37 155.92,35.05 RGBD6.4
/IN_D7: length 14.6
  Bottom w0.25: RGBD8.2 184.44,46.14 182.65,47.3 180.19,46.77
/IN_D8: length 14.6
  Bottom w0.25: RGBD9.2 203.09,50.11 201.3,51.27 198.82,50.74
/IN_D9: length 14.6
  Bottom w0.25: RGBD10.2 221.94,54.12 220.15,55.28 217.46,54.7
/IN_D10: length 15.9
  Bottom w0.25: 236.09,58.67 239.14,58.67 240.45,57.36 RGBD11.2
/IN_D11: length 14.6
  Bottom w0.25: RGBD12.2 260.48,57.38 259,58.86 RGBD11.4
/IN_D12: length 26.5
  Bottom w0.25: RGBD12.4 297.73,58.87 299.24,57.37 RGBD13.2
/IN_D13: length 343.9
  Top w0.25: v1(11.5,56.31) 13.31,54.49 v1(21.07,54.49) ; v1(20.79,74.83) 15.87,74.83 v1(8.64,67.6) ; v1(290.74,61.77) 285.48,61.77 283.94,60.23 v1(283.94,58.01)
  Bottom w0.25: 281.14,55.13 283.94,57.94 v1(283.94,58.01) ; 290.76,61.77 301.54,61.77 302.66,60.65 305.82,60.65 306.59,59.89 RGBD13.4 ; 281.14,55.1 237.24,55.1 163.6,39.47 158.56,34.43 158.56,32.99 156.94,31.37 145.82,31.37 143.24,33.95 143.24,35.88 137.93,41.19 132.38,41.19 67.15,55.08 21.65,55.07 v1(21.07,54.49) 21.07,54.51 ; 21.26,76.41 21.26,75.3 v1(20.79,74.83) ; v1(290.74,61.77) 290.75,61.77 ; v1(8.64,67.6) 8.64,59.16 v1(11.5,56.31)
/IN_E0: length 26.5
  Bottom w0.25: 49.84,38.31 48.24,38.31 46.74,39.81 RGBE0.4
/IN_E1: length 16
  Bottom w0.25: RGBE1.4 65.47,39.81 67.55,37.74 70.05,37.2
/IN_E2: length 14.6
  Bottom w0.25: 75.3,37.62 86.2,35.31 87.33,33.54 RGBE3.2
/IN_E3: length 14.6
  Bottom w0.25: 93.94,33.66 104.84,31.35 105.97,29.58 RGBE4.2
/IN_E4: length 14.6
  Bottom w0.25: RGBE5.2 124.6,25.6 123.47,27.37 112.57,29.69
/IN_E5: length 23.2
  Bottom w0.25: 149.47,14.5 147.16,14.5 145.1,16.56 145.1,17.89 138.89,24.1 131.22,25.73
/IN_E6: length 21.3
  Bottom w0.25: 154.57,16 156.44,16 162.52,21.98 170.69,23.75 173.2,24.28
/IN_E7: length 14.6
  Bottom w0.25: RGBE8.2 189.56,27.76 187.77,28.92 177.81,26.78
/IN_E8: length 14.4
  Bottom w0.25: 210.46,32.18 209.14,31.9 206.22,32.9 RGBE8.4
/IN_E9: length 14.1
  Bottom w0.25: RGBE10.2 226.83,35.69 219.62,35.69 215.08,34.71
/IN_E10: length 15.8
  Bottom w0.25: RGBE11.2 237.16,38.31 236.28,39.18 RGBE10.4
/IN_E11: length 21.7
  Bottom w0.25: RGBE11.4 272.33,39.81 273.83,38.31 275.29,38.31
/IN_E12: length 25.1
  Bottom w0.25: RGBE13.2 301.65,35.93 299.56,38.01 283.93,38.01 282.14,39.81 RGBE12.4
/IN_E13: length 316.1
  Bottom w0.25: RGBE13.4 308.97,38.46 308.21,39.21 305.16,39.21 303.98,40.39 300.06,40.39 285.85,54.6 237.28,54.6 163.77,39 159.03,34.26 159.03,32.79 157.13,30.89 145.62,30.89 142.77,33.74 142.77,35.7 137.73,40.74 132.27,40.74 67.1,54.6 22.3,54.6 21.47,53.77 19.96,53.77 18.46,55.26 18.46,56.51 19.31,57.36 21.26,57.36
/IN_F0: length 19.3
  Bottom w0.25: 45.08,19.26 43.49,19.26 41.97,20.78 41.97,20.78 RGBF0.4
/IN_F1: length 21.3
  Bottom w0.25: RGBF1.4 63.3,20.77 68.27,18.08 70.77,17.54
/IN_F2: length 33.5
  Bottom w0.25: 108,9.62 104.83,10.32 102.86,12.29 RGBF2.4
/IN_F3: length 73.4
  Bottom w0.25: 186.41,7.62 124.63,7.62 124.63,7.62 113.29,10.08
/IN_F4: length 38.5
  Bottom w0.25: 228.34,16.5 225.84,15.7 223.65,17.1 191.08,10.15
/IN_F5: length 20.9
  Bottom w0.25: RGBF5.4 233.89,19.26 RGBF6.2
/IN_F6: length 27.5
  Bottom w0.25: 284.82,16.88 283.46,16.88 280.63,19.71 277.67,19.71 276.62,20.76 RGBF6.4
/IN_F7: length 14.6
  Bottom w0.25: 289.92,18.38 300.11,18.39 301.62,16.89 RGBF8.2
/IN_F8: length 14.6
  Bottom w0.25: 308.97,18.37 319.16,18.38 320.67,16.88 RGBF9.2
/IN_F9: length 324.9
  Top w0.25: v1(285.94,19.78) 281.33,19.78 v1(280.57,20.55) ; v1(31.86,25.83) 35.13,22.55 35.14,22.56 v1(43.47,22.56) ; v2(254.51,22.14) 251.22,22.14 v2(249.35,20.27) ; v1(298.38,19.78) v1(304.57,19.78) ; v1(100.44,14.16) v1(108.88,12.36) ; v1(60.91,22.56) v1(70.53,20.52) ; v1(317.36,19.78) v1(323.91,19.78) ; v1(222.04,18.23) v1(228.76,19.66) ; v1(178.37,8.96) v1(186.64,10.72)
  Bottom w0.25: v1(280.57,20.55) 277.53,20.55 275.93,22.14 v2(254.51,22.14) ; v1(304.57,19.78) v1(317.36,19.78) ; v1(108.88,12.36) 128.13,8.27 175.12,8.27 v1(178.37,8.96) ; v1(298.38,19.78) 285.95,19.78 v1(285.94,19.78) ; v1(228.76,19.66) 231.65,20.27 249.35,20.27 v2(249.35,20.27) ; v1(60.91,22.56) 45.17,22.56 43.47,22.56 v1(43.47,22.56) ; v1(323.91,19.78) 327.19,19.78 328.02,18.95 RGBF9.4 ; v1(70.53,20.52) v1(100.44,14.16) ; v1(31.86,25.83) 31.86,30.74 30.77,31.83 29.37,31.83 28.62,32.58 28.62,33.57 27.52,34.67 21.86,34.67 18.88,37.65 RGBE0.2 ; v1(186.64,10.72) v1(222.04,18.23)
/IN_F10: length 14.6
  Bottom w0.25: RGBF11.2 312.93,119.27 311.42,120.78 RGBF10.4
/IN_F12: length 428.4
  Top w0.25: v1(321.1,93.87) v1(319.08,93.87) ; v1(302.12,80.18) 302.12,77.05 300.13,75.06 290.36,75.06 282.38,67.08 v1(282.38,58) ; v1(10.09,116.22) 13.14,119.27 v1(14.5,119.27) ; v1(19.67,55.98) 14.22,55.98 v1(11.74,58.47)
  Bottom w0.25: v1(14.5,119.27) 14.51,119.28 RGBA0.2 ; v1(11.74,58.47) 10.09,60.11 v1(10.09,116.22) ; v1(19.67,55.98) 67.25,55.98 132.58,42.09 138.37,42.09 144.19,36.27 144.19,34.34 146.22,32.31 156.54,32.31 157.62,33.39 157.62,34.86 163.08,40.32 237.16,56.09 280.47,56.09 v1(282.38,58) ; RGBF12.4 327.77,96.96 328.23,96.49 328.23,94.72 327.38,93.87 v1(321.1,93.87) ; v1(319.08,93.87) 311.16,93.87 307.69,90.4 304.57,90.4 303.86,89.69 303.86,81.92 v1(302.12,80.18)
